# Altium PCB xialeste.PcbDoc (part 4 of 10)
Units mm, origin at the board's own origin, x right, y up, seen from the top; angles counter-clockwise.
Board outline 203.2 x 171.45 mm, 6 copper layers (L1, L2, L3, L4 (PWR), L5, L6), stack 1.542 mm thick; 748 components, 618 nets, 3334 pads, 1535 vias.
Unrouted connection lines stored in the file: 160.
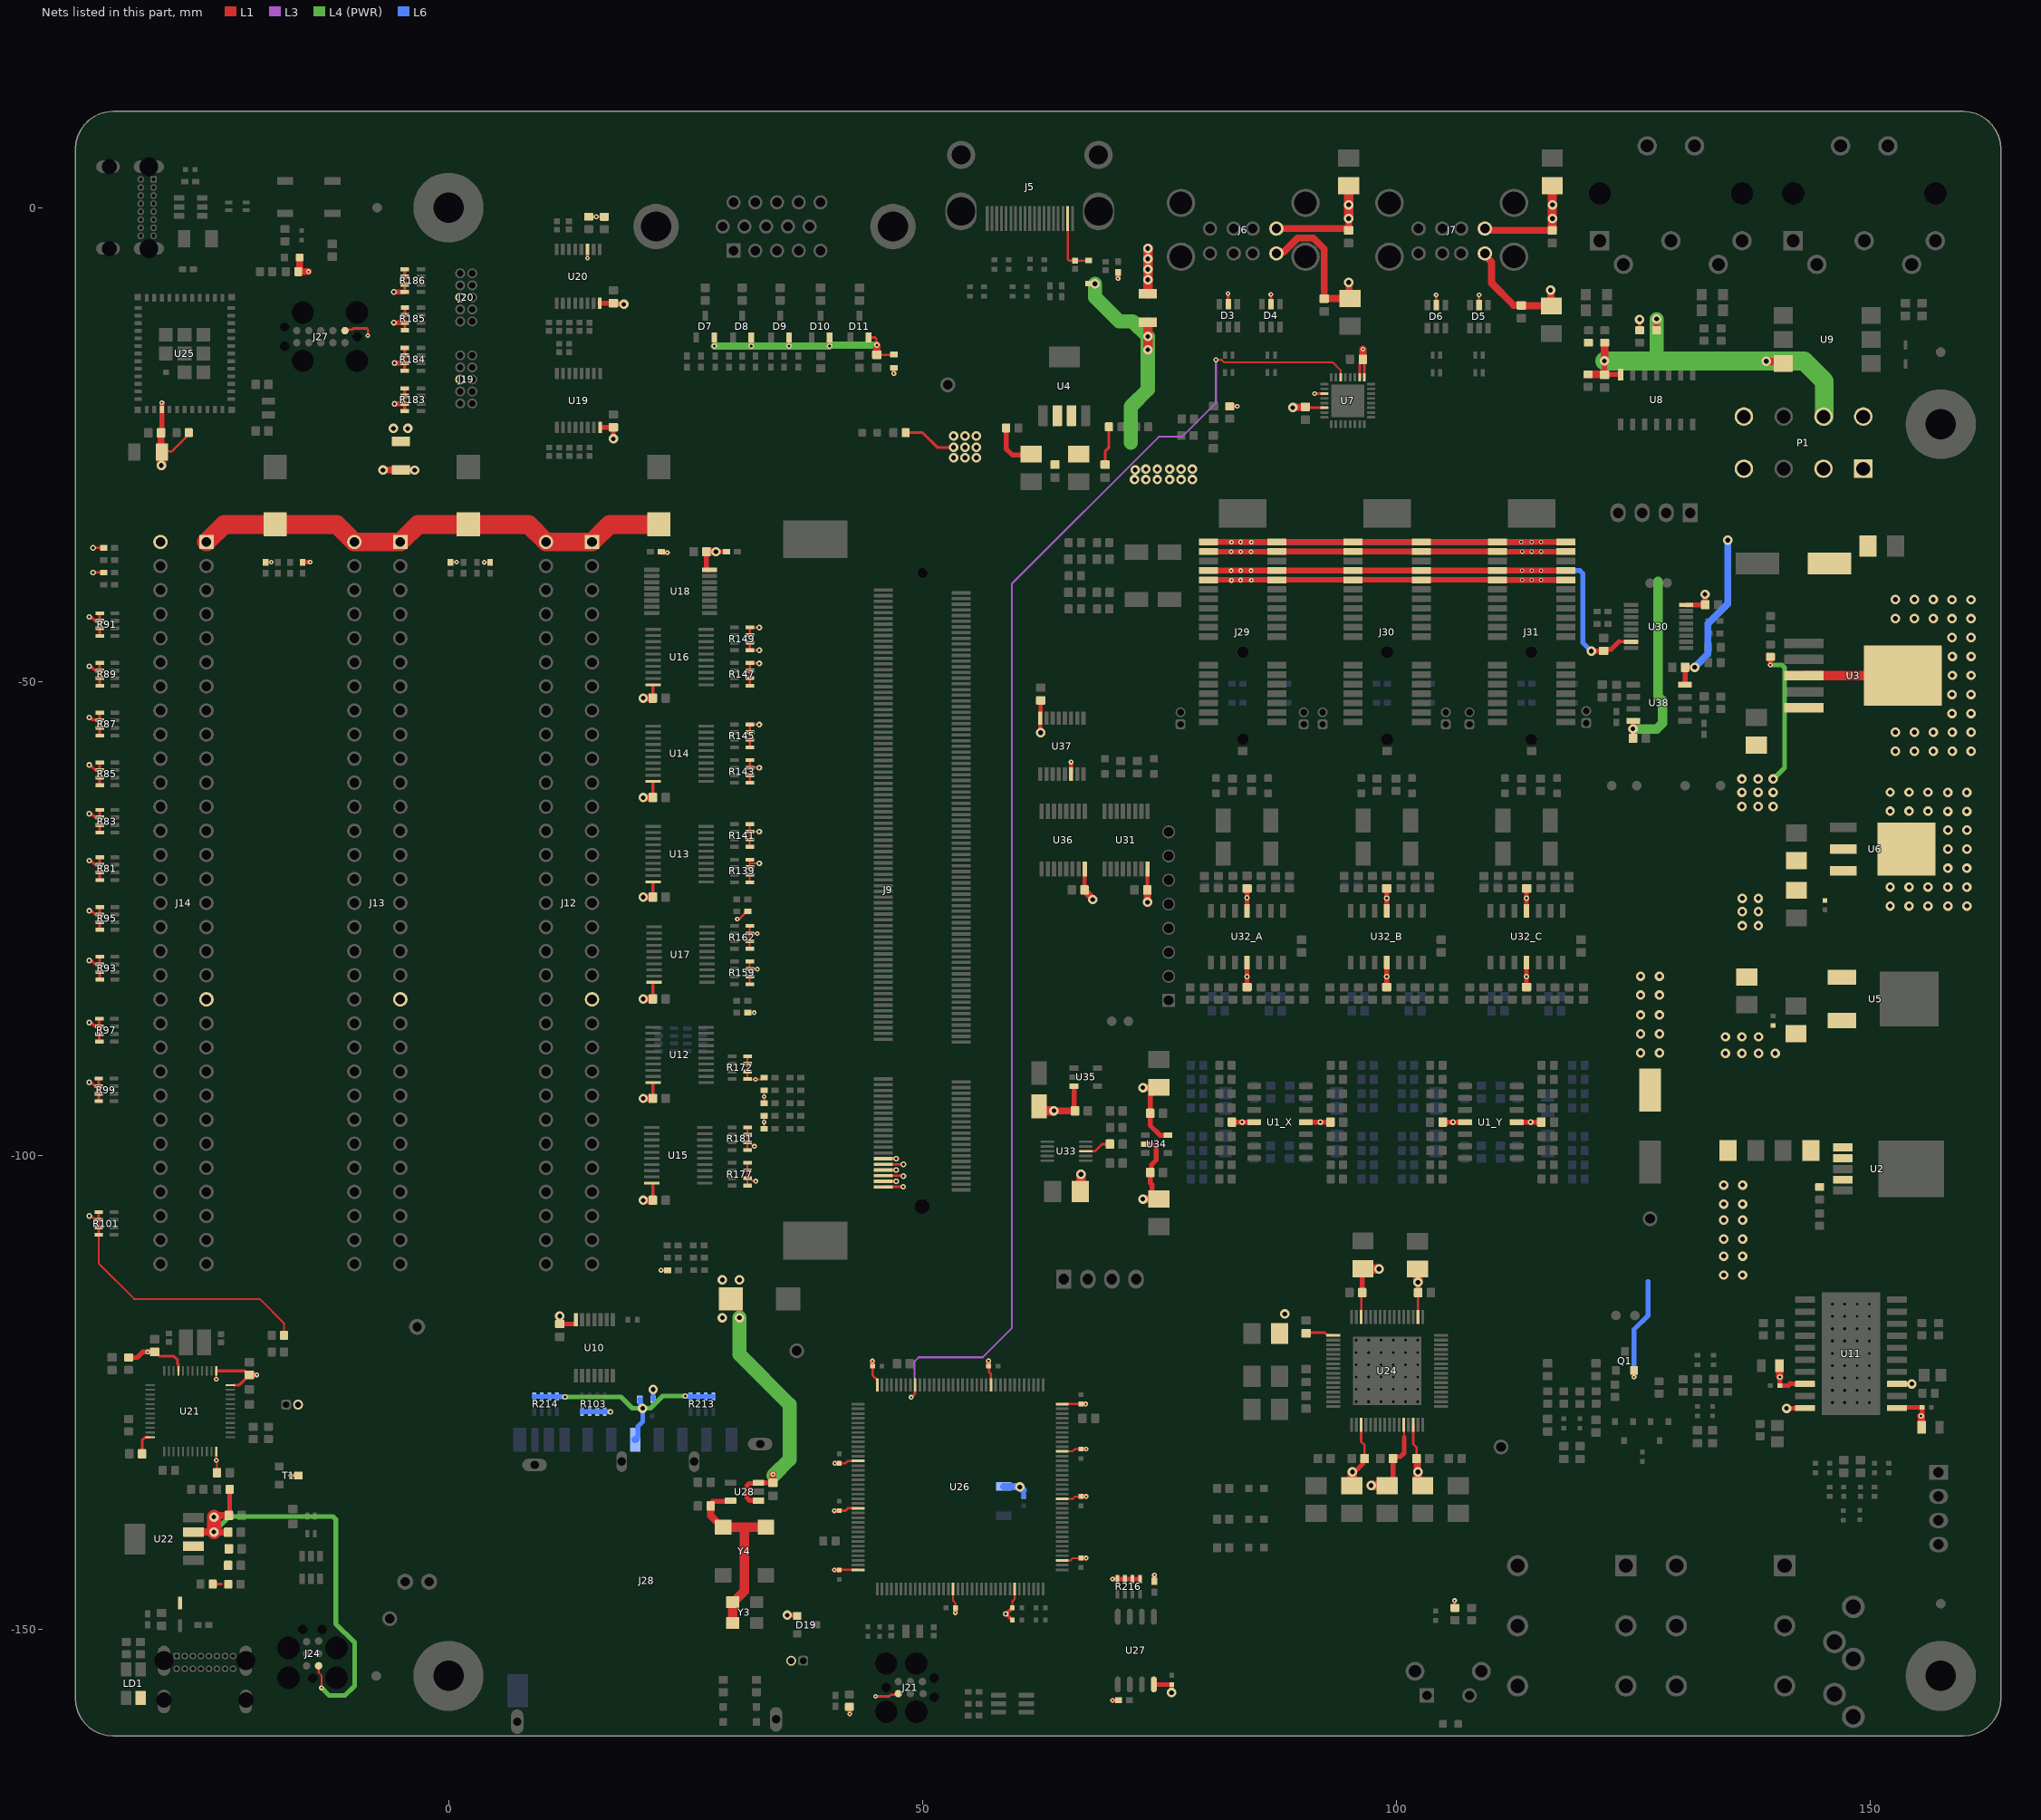
[diagram p8: the nets of this part, all layers, seen from the top]

## Part data (continued)
R130 R131: library part RC0402FR-0747K5L, "RES 47.5K OHM 1/16W 1% 0402 SMD", Manufacturer=Yageo, Package / Case="0402 (1005 Metric)", Power (Watts)="0.063W, 1/16W", Resistance (Ohms)=47.5K, Supplier Part Number 1=311-47.5KLRCT-ND, Temperature Coefficient=±100ppm/°C, Tolerance=±1%, .Checked PCB=RF, .Checked SCH=RF, Category=Resistors, componentlink1description=http://www.yageo.com/documents/recent/PYu-RC0402_51_RoHS_L_6.pdf, componentlink1url=http://www.yageo.com/documents/recent/PYu-RC0402_51_RoHS_L_6.pdf, Composition="Thick Film", Features=-, Height="0.016\" (0.40mm)", Manufacturer Part Number=RC0402FR-0747K5L, Number of Terminations=2, Packaging="Cut Tape (CT)", Pricing 1="10=0.014, 100=0.0063, 500=0.00382, 1000=0.0027, 5000=0.00203 (USD)", RoHS="RoHS Compliant", Size / Dimension="0.039\" L x 0.020\" W (1.00mm x 0.50mm)", Stock 1=59607, Supplier 1=Digi-Key
R132 R133 R192: library part RNCS0603BKE100R, "RES 100 OHM 0.1% 1/16W 0603", Device Package="0603 (1608 Metric)", Manufacturer="Stackpole Electronics Inc", Operating Temperature="-55°C ~ 155°C", Power (Watts)="0.063W, 1/16W", Ratings=AEC-Q200, Supplier Device Package=0603, Supplier Part Number 1=RNCS0603BKE100RCT-ND, Temperature Coefficient=±25ppm/°C, Tolerance=±0.1%, componentlink1description=Datasheet, componentlink1url=https://www.seielect.com/catalog/sei-rncs_rnch.pdf, ComponentLink2Description="DigiKey Link", ComponentLink2URL=https://www.digikey.com/en/products/detail/stackpole-electronics-inc/RNCS0603BKE100R/1799988, Composition="Thin Film", Features="Anti-Corrosive, Automotive AEC-Q200, Moisture Resistant", Height - Seated (Max)="0.022\" (0.55mm)", lastupdated="9/19/2022 1:22:34 PM", Lifecycle Status=Active, Minimum Order=1, Number of Terminations=2, Package / Case="0603 (1608 Metric)", Packaging=TapeAndReel, Part Number=RNCS0603BKE100R, Part Status=Active, partid=4839, price=0.08, Resistance="100 Ohms", series=RNCS, Size / Dimension="0.061\" L x 0.031\" W (1.55mm x 0.80mm)", Supplier 1=DigiKey
R134 R135 R136 R189 R191 R292: library part RCA0603100KJNEC, "RES 100K OHM 5% 1/10W 0603", Device Package="0603 (1608 Metric)", Manufacturer="Vishay Dale", Operating Temperature="-55°C ~ 155°C", Power (Watts)="0.1W, 1/10W", Ratings=AEC-Q200, Supplier Device Package=0603, Supplier Part Number 1=541-3895-1-ND, Temperature Coefficient=±200ppm/°C, Tolerance=±5%, componentlink1description=Datasheet, componentlink1url=http://www.vishay.com/docs/20037/rcae3.pdf, ComponentLink2Description="DigiKey Link", ComponentLink2URL=https://www.digikey.com/en/products/detail/vishay-dale/RCA0603100KJNEC/7354870, Composition="Thick Film", Features="Anti-Sulfur, Automotive AEC-Q200", Height - Seated (Max)="0.020\" (0.50mm)", lastupdated="9/19/2022 1:22:11 PM", Lifecycle Status=Active, Minimum Order=1, Number of Terminations=2, Package / Case="0603 (1608 Metric)", Packaging=TapeAndReel, Part Number=RCA0603100KJNEC, Part Status=Active, partid=11187, price=0.01, Resistance="100 kOhms", series=RCA, Size / Dimension="0.061\" L x 0.033\" W (1.55mm x 0.85mm)", Supplier 1=DigiKey
R137: library part RMCF0603JG5K10, "RES 5.1K OHM 5% 1/10W 0603", Device Package="0603 (1608 Metric)", Manufacturer="Stackpole Electronics Inc", Operating Temperature="-55°C ~ 155°C", Power (Watts)="0.1W, 1/10W", Ratings=AEC-Q200, Supplier Device Package=0603, Supplier Part Number 1=RMCF0603JG5K10CT-ND, Temperature Coefficient=±200ppm/°C, Tolerance=±5%, componentlink1description=Datasheet, componentlink1url=https://www.seielect.com/catalog/sei-packaging.pdf, ComponentLink2Description="DigiKey Link", ComponentLink2URL=https://www.digikey.com/en/products/detail/stackpole-electronics-inc/RMCF0603JG5K10/1712287, Composition="Thick Film", Features="Automotive AEC-Q200", Height - Seated (Max)="0.022\" (0.55mm)", lastupdated="9/19/2022 1:22:33 PM", Lifecycle Status=Active, Minimum Order=1, Number of Terminations=2, Package / Case="0603 (1608 Metric)", Packaging=CutTape, Part Number=RMCF0603JG5K10, Part Status=Active, partid=5180, price=0.01, Resistance="5.1 kOhms", series=RMCF, Size / Dimension="0.061\" L x 0.031\" W (1.55mm x 0.80mm)", Supplier 1=DigiKey
R138 R221 R222 R223 R224 R225 R256 R257 R258 R259 R260 R261 R262 R263: library part RMCF0603JT270R, "RES 270 OHM 5% 1/10W 0603", Device Package="0603 (1608 Metric)", Manufacturer="Stackpole Electronics Inc", Operating Temperature="-55°C ~ 155°C", Power (Watts)="0.1W, 1/10W", Ratings=AEC-Q200, Supplier Device Package=0603, Supplier Part Number 1=RMCF0603JT270RCT-ND, Temperature Coefficient=±200ppm/°C, Tolerance=±5%, componentlink1description=Datasheet, componentlink1url=https://www.seielect.com/catalog/sei-rmcf_rmcp.pdf, ComponentLink2Description="DigiKey Link", ComponentLink2URL=https://www.digikey.com/en/products/detail/stackpole-electronics-inc/RMCF0603JT270R/1760746, Composition="Thick Film", Features="Automotive AEC-Q200", Height - Seated (Max)="0.022\" (0.55mm)", lastupdated="9/19/2022 1:22:30 PM", Lifecycle Status=Active, Minimum Order=1, Number of Terminations=2, Package / Case="0603 (1608 Metric)", Packaging=CutTape, Part Number=RMCF0603JT270R, Part Status=Active, partid=5923, price=0.01, Resistance="270 Ohms", series=RMCF, Size / Dimension="0.061\" L x 0.031\" W (1.55mm x 0.80mm)", Supplier 1=DigiKey
R151 R152 R153 R154 R155 R156 R157 R158 R168 R174 R175 R176 R179 R180 R210 R211 R220 R291: library part AT0402BRD071KL, "RES SMD 1K OHM 0.1% 1/16W 0402", Device Package="0402 (1005 Metric)", Manufacturer=Yageo, Operating Temperature="-55°C ~ 155°C", Power (Watts)="0.063W, 1/16W", Ratings=AEC-Q200, Supplier Device Package=0402, Supplier Part Number 1=YAG2088CT-ND, Temperature Coefficient=±25ppm/°C, Tolerance=±0.1%, componentlink1description=Datasheet, componentlink1url=http://www.yageo.com/documents/recent/PYu-AT_51_RoHS_L_5.pdf, ComponentLink2Description="DigiKey Link", ComponentLink2URL=https://www.digikey.com/en/products/detail/yageo/AT0402BRD071KL/5138607, Composition="Thin Film", Features="Anti-Sulfur, Automotive AEC-Q200, Moisture Resistant", Height - Seated (Max)="0.014\" (0.35mm)", Lifecycle Status=Active, Minimum Order=1, Number of Terminations=2, Package / Case="0402 (1005 Metric)", Packaging=TapeAndReel, Part Number=AT0402BRD071KL, Part Status=Active, partid=2462, price=0.09, Resistance="1 kOhms", series=AT, Size / Dimension="0.039\" L x 0.020\" W (1.00mm x 0.50mm)", Supplier 1=DigiKey
  R151 R152 R153 R154 R155 R156 R157 R158 R168 R174 R175 R176 R179 R180 R210 R211 R291: lastupdated="9/19/2022 1:15:04 PM"
  R220: lastupdated="9/19/2022 1:0..154 PM"
R161 R164 R165 R166 R167 R169 R170 R171: library part SR0402FR-7W22RL, "RES 22 OHM 1% 1/8W 0402", Device Package="0402 (1005 Metric)", Manufacturer=Yageo, Operating Temperature="-55°C ~ 155°C", Power (Watts)="0.125W, 1/8W", Ratings=AEC-Q200, Supplier Device Package=0402, Supplier Part Number 1=YAG5820CT-ND, Temperature Coefficient=±100ppm/°C, Tolerance=±1%, componentlink1description=Datasheet, componentlink1url=http://www.yageo.com/documents/recent/PYu-SR_D_F%20tol_RoHS_L_4.pdf, ComponentLink2Description="DigiKey Link", ComponentLink2URL=https://www.digikey.com/en/products/detail/yageo/SR0402FR-7W22RL/9373094, Composition="Thick Film", Features="Automotive AEC-Q200, Pulse Withstanding", Height - Seated (Max)="0.016\" (0.40mm)", lastupdated="9/19/2022 1:14:58 PM", Lifecycle Status=Active, Minimum Order=1, Number of Terminations=2, Package / Case="0402 (1005 Metric)", Packaging=TapeAndReel, Part Number=SR0402FR-7W22RL, Part Status=Active, partid=4390, price=0.07, Resistance="22 Ohms", series=SR, Size / Dimension="0.039\" L x 0.020\" W (1.00mm x 0.50mm)", Supplier 1=DigiKey
R183 R184 R185 R186: "RES ARRAY 4 RES 4.7K OHM 1206", Manufacturer="Bourns Inc.", Number of Resistors=4, Operating Temperature="-55°C ~ 125°C", Package / Case="1206 (3216 Metric), Convex, Long Side Terminals", Power Per Element=62.5mW, Resistance (Ohms)=4.7k, Supplier Device Package=1206, Supplier Part Number 1=CAY16-472J4LFCT-ND, Temperature Coefficient=±200ppm/°C, Tolerance=±5%, Circuit Type=Isolated, componentlink1description=Datasheet, componentlink1url=https://www.bourns.com/docs/Product-Datasheets/CATCAY.pdf, ComponentLink2Description="DigiKey Link", ComponentLink2URL=http://digikey.com/product-detail/en/bourns-inc/CAY16-472J4LF/CAY16-472J4LFCT-ND/3437957, Height - Seated (Max)="0.024\" (0.60mm)", lastupdated="9/2/2020 1:23:24 AM", Lifecycle Status=Active, Minimum Order=1, Mounting Type="Surface Mount", Number of Pins=8, Packaging=TapeAndReel, Part Number=CAY16-472J4LF, Part Status=Active, partid=161, price=0.01, series=CAY16, Size / Dimension="0.126\" L x 0.063\" W (3.20mm x 1.60mm)", Supplier 1=DigiKey
R188 R190 R212 R217 R288 R289: library part ERA-3AEB472V, "RES SMD 4.7K OHM 0.1% 1/10W 0603", Device Package="0603 (1608 Metric)", Manufacturer="Panasonic Electronic Components", Operating Temperature="-55°C ~ 155°C", Power (Watts)="0.1W, 1/10W", Ratings=AEC-Q200, Supplier Device Package=0603, Supplier Part Number 1=P4.7KDBCT-ND, Temperature Coefficient=±25ppm/°C, Tolerance=±0.1%, componentlink1description=Datasheet, componentlink1url=https://industrial.panasonic.com/cdbs/www-data/pdf/RDM0000/AOA0000C307.pdf, ComponentLink2Description="DigiKey Link", ComponentLink2URL=http://digikey.com/product-detail/en/panasonic-electronic-components/ERA-3AEB472V/P4.7KDBCT-ND/1466068, Composition="Thin Film", Features="Automotive AEC-Q200", Height - Seated (Max)="0.022\" (0.55mm)", lastupdated="9/19/2022 1:22:32 PM", Lifecycle Status=Active, Minimum Order=1, Number of Terminations=2, Package / Case="0603 (1608 Metric)", Packaging=TapeAndReel, Part Number=ERA-3AEB472V, Part Status=Active, partid=5519, price=0.04, Resistance="4.7 kOhms", series=ERA-3A, Size / Dimension="0.063\" L x 0.031\" W (1.60mm x 0.80mm)", Supplier 1=DigiKey
R193: library part RCS060310K0JNEA, "RES SMD 10K OHM 5% 1/4W 0603", Device Package="0603 (1608 Metric)", Manufacturer="Vishay Dale", Operating Temperature="-55°C ~ 155°C", Power (Watts)="0.25W, 1/4W", Ratings=AEC-Q200, Supplier Device Package=0603, Supplier Part Number 1=541-2817-1-ND, Temperature Coefficient=±200ppm/°C, Tolerance=±5%, componentlink1description=Datasheet, componentlink1url=http://www.vishay.com/docs/20065/rcse3.pdf, ComponentLink2Description="DigiKey Link", ComponentLink2URL=https://www.digikey.com/en/products/detail/vishay-dale/RCS060310K0JNEA/5866963, Composition="Thick Film", Features="Automotive AEC-Q200, Pulse Withstanding", Height - Seated (Max)="0.020\" (0.50mm)", lastupdated="9/19/2022 1:22:32 PM", Lifecycle Status=Active, Minimum Order=1, Number of Terminations=2, Package / Case="0603 (1608 Metric)", Packaging=TapeAndReel, Part Number=RCS060310K0JNEA, Part Status=Active, partid=5383, price=0.01, Resistance="10 kOhms", series="RCS e3", Size / Dimension="0.061\" L x 0.033\" W (1.55mm x 0.85mm)", Supplier 1=DigiKey
R194 R201 R202 R206: library part ESR03EZPJ101, "RES SMD 100 OHM 5% 1/4W 0603", Device Package="0603 (1608 Metric)", Manufacturer="Rohm Semiconductor", Operating Temperature="-55°C ~ 155°C", Power (Watts)="0.25W, 1/4W", Ratings=AEC-Q200, Supplier Device Package=0603, Supplier Part Number 1=RHM100DCT-ND, Temperature Coefficient=±200ppm/°C, Tolerance=±5%, componentlink1description=Datasheet, componentlink1url=https://www.rohm.com/datasheet/ESR01MZPF/esr-e, ComponentLink2Description="DigiKey Link", ComponentLink2URL=https://www.digikey.com/en/products/detail/rohm-semiconductor/ESR03EZPJ101/1983452, Composition="Thick Film", Features="Automotive AEC-Q200, Pulse Withstanding", Height - Seated (Max)="0.022\" (0.55mm)", lastupdated="9/19/2022 1:22:32 PM", Lifecycle Status=Active, Minimum Order=1, Number of Terminations=2, Package / Case="0603 (1608 Metric)", Packaging=TapeAndReel, Part Number=ESR03EZPJ101, Part Status=Active, partid=5450, price=0.01, Resistance="100 Ohms", series=ESR, Size / Dimension="0.063\" L x 0.031\" W (1.60mm x 0.80mm)", Supplier 1=DigiKey
R195: library part CPF0603B36KE1, "RES SMD 36K OHM 0.1% 1/16W 0603", Device Package="0603 (1608 Metric)", Manufacturer="TE Connectivity Passive Product", Operating Temperature="-55°C ~ 155°C", Power (Watts)="0.063W, 1/16W", Supplier Device Package=0603, Supplier Part Number 1=A103090CT-ND, Temperature Coefficient=±25ppm/°C, Tolerance=±0.1%, componentlink1description=Datasheet, componentlink1url=https://www.te.com/commerce/DocumentDelivery/DDEController?Action=srchrtrv&DocNm=1773200&DocType=DS&DocLang=English, ComponentLink2Description="DigiKey Link", ComponentLink2URL=https://www.digikey.com/en/products/detail/te-connectivity-passive-product/CPF0603B36KE1/2381953, Composition="Thin Film", Height - Seated (Max)="0.022\" (0.55mm)", lastupdated="9/19/2022 1:22:15 PM", Lifecycle Status=Active, Minimum Order=1, Number of Terminations=2, Package / Case="0603 (1608 Metric)", Packaging=TapeAndReel, Part Number=CPF0603B36KE1, Part Status=Active, partid=10083, price=0.13, Resistance="36 kOhms", series="CPF, Neohm", Size / Dimension="0.061\" L x 0.031\" W (1.55mm x 0.80mm)", Supplier 1=DigiKey
R196 R203: library part Res1, "Resistor 0402 / 0603 / 0805"
R199 R200 R208 R209: library part RT0402BRE075K1L, "RES SMD 5.1K OHM 0.1% 1/16W 0402", Device Package="0402 (1005 Metric)", Manufacturer=Yageo, Operating Temperature="-55°C ~ 155°C", Power (Watts)="0.063W, 1/16W", Supplier Device Package=0402, Supplier Part Number 1=YAG4404CT-ND, Temperature Coefficient=±50ppm/°C, Tolerance=±0.1%, componentlink1description=Datasheet, componentlink1url=https://www.yageo.com/upload/media/product/productsearch/datasheet/rchip/PYu-RT_1-to-0.01_RoHS_L_11.pdf, ComponentLink2Description="DigiKey Link", ComponentLink2URL=http://digikey.com/product-detail/en/yageo/RT0402BRE075K1L/YAG4404CT-ND/6616560, Composition="Thin Film", Height - Seated (Max)="0.014\" (0.35mm)", lastupdated="9/19/2022 1:14:58 PM", Lifecycle Status=Active, Minimum Order=1, Number of Terminations=2, Package / Case="0402 (1005 Metric)", Packaging=TapeAndReel, Part Number=RT0402BRE075K1L, Part Status=Active, partid=4590, price=0.04, Resistance="5.1 kOhms", series=RT, Size / Dimension="0.039\" L x 0.020\" W (1.00mm x 0.50mm)", Supplier 1=DigiKey
R204 R205: library part Resistor, "RES 33K OHM 5% 1/10W 0603", Device Package="0603 (1608 Metric)", Manufacturer="Stackpole Electronics Inc", Operating Temperature="-55°C ~ 155°C", Part Number=RMCF0603JT33K0, Power (Watts)="0.1W, 1/10W", Ratings=AEC-Q200, Supplier Device Package=0603, Supplier Part Number 1=RMCF0603JT33K0CT-ND, Temperature Coefficient=±200ppm/°C, Tolerance=±5%, componentlink1description=Datasheet, componentlink1url=https://www.seielect.com/catalog/sei-rmcf_rmcp.pdf, ComponentLink2Description="DigiKey Link", ComponentLink2URL=https://www.digikey.com/en/products/detail/stackpole-electronics-inc/RMCF0603JT33K0/1758017, Composition="Thick Film", Features="Automotive AEC-Q200", Height - Seated (Max)="0.022\" (0.55mm)", lastupdated="9/19/2022 1:22:31 PM", Lifecycle Status=Active, Minimum Order=1, Number of Terminations=2, Package / Case="0603 (1608 Metric)", Packaging=CutTape, Part Status=Active, partid=5853, price=0.01, Resistance="33 kOhms", series=RMCF, Size / Dimension="0.061\" L x 0.031\" W (1.55mm x 0.80mm)", Supplier 1=DigiKey
R213 R214 R216: library part CMP-2000-06067-1, "CAT / CAY 16 Series - Chip Resistor Array, 10 KOhm, +/- 5%, 50 V, -55 to 125 degC, 8-Pin SMD, RoHS, Tape and Reel", Manufacturer=Bourns, Number of Resistors=4, Operating Temperature=-55°C~125°C, Package / Case=1206(3216Metric),Concave,LongSideTerminals, Package Description="8-Pin Surface Mount Device, Body 3.2 x 1.55 mm, Pitch 0.8 mm", Power Per Element=62.5mW, Resistance (Ohms)=10k, Standard Package=1, Supplier Device Package=1206, Temperature Coefficient=±200ppm/°C, Tolerance=±5%, Applications=-, Category=Resistors, Circuit Type=Isolated, Datasheet URL=http://www.mouser.com/ds/2/54/ATCAY-777361.pdf, Datasheet Version=09/2014, EDA / CAD Models=DownloadfromAcceleratedDesigns, Family=ResistorNetworks,Arrays, Height="0.024\"(0.60mm)", Manufacturer Part Number=CAT16-103J4LF, Manufacturer URL=http://www.bourns.com/, Mounting Technology=SurfaceMount, Mounting Type=SurfaceMount, Number of Pins=8, Online Catalog=CAT16Series, Other Names=CAT16-103J4LFDKR, Package Reference=CAT16-103J4LF, Packaging=Digi-Reel®, RoHS Information=CAT16MaterialDeclaration, series=CAT16, Size / Dimension="0.126\"Lx0.061\"W(3.20mmx1.55mm)"
R218 R219: library part Resistor, "RES 2.7K OHM 1% 1/16W 0402", Device Package="0402 (1005 Metric)", Manufacturer=Yageo, Operating Temperature="-55°C ~ 155°C", Part Number=RC0402FR-072K7L, Power (Watts)="0.063W, 1/16W", Supplier Device Package=0402, Supplier Part Number 1=311-2.70KLRCT-ND, Temperature Coefficient=±100ppm/°C, Tolerance=±1%, componentlink1description=Datasheet, componentlink1url=https://www.yageo.com/upload/media/product/productsearch/datasheet/rchip/PYu-RC_Group_51_RoHS_L_10.pdf, ComponentLink2Description="DigiKey Link", ComponentLink2URL=https://www.digikey.com/en/products/detail/yageo/RC0402FR-072K7L/726556, Composition="Thick Film", Features="Moisture Resistant", Height - Seated (Max)="0.016\" (0.40mm)", lastupdated="9/19/2022 1:0..154 PM", Lifecycle Status=Active, Minimum Order=1, Number of Terminations=2, Package / Case="0402 (1005 Metric)", Packaging=CutTape, Part Status=Active, partid=2550, price=0.01, Resistance="2.7 kOhms", series=RC_L, Size / Dimension="0.039\" L x 0.020\" W (1.00mm x 0.50mm)", Supplier 1=DigiKey
R242 R243 R244 R245 R246 R247 R248 R249 R250 R251 R252 R253 R280 R281 R282 R284 R285 R286: library part RP73PF1E100KBTD, "RES 100K OHM 0.1% 1/10W 0402", Device Package="0402 (1005 Metric)", Manufacturer="TE Connectivity Passive Product", Operating Temperature="-55°C ~ 155°C", Power (Watts)="0.1W, 1/10W", Supplier Device Package=0402, Supplier Part Number 1=A127511CT-ND, Temperature Coefficient=±25ppm/°C, Tolerance=±0.1%, componentlink1description=Datasheet, componentlink1url=https://www.te.com/commerce/DocumentDelivery/DDEController?Action=srchrtrv&DocNm=1773272&DocType=DS&DocLang=English, ComponentLink2Description="DigiKey Link", ComponentLink2URL=https://www.digikey.com/en/products/detail/te-connectivity-passive-product/RP73PF1E100KBTD/8261053, Composition="Thin Film", Height - Seated (Max)="0.014\" (0.35mm)", lastupdated="9/19/2022 1:15:04 PM", Lifecycle Status=Active, Minimum Order=1, Number of Terminations=2, Package / Case="0402 (1005 Metric)", Packaging=TapeAndReel, Part Number=RP73PF1E100KBTD, Part Status=Active, partid=2436, price=0.08, Resistance="100 kOhms", series="RP73, Holsworthy", Size / Dimension="0.039\" L x 0.020\" W (1.00mm x 0.50mm)", Supplier 1=DigiKey
R254 R255: library part ERA-3AEB222V, "RES SMD 2.2K OHM 0.1% 1/10W 0603", Device Package="0603 (1608 Metric)", Manufacturer="Panasonic Electronic Components", Operating Temperature="-55°C ~ 155°C", Power (Watts)="0.1W, 1/10W", Ratings=AEC-Q200, Supplier Device Package=0603, Supplier Part Number 1=P2.2KDBCT-ND, Temperature Coefficient=±25ppm/°C, Tolerance=±0.1%, componentlink1description=Datasheet, componentlink1url=https://industrial.panasonic.com/cdbs/www-data/pdf/RDM0000/AOA0000C307.pdf, ComponentLink2Description="DigiKey Link", ComponentLink2URL=https://www.digikey.com/en/products/detail/panasonic-electronic-components/ERA-3AEB222V/1465862, Composition="Thin Film", Features="Automotive AEC-Q200", Height - Seated (Max)="0.022\" (0.55mm)", lastupdated="9/19/2022 1:22:32 PM", Lifecycle Status=Active, Minimum Order=1, Number of Terminations=2, Package / Case="0603 (1608 Metric)", Packaging=TapeAndReel, Part Number=ERA-3AEB222V, Part Status=Active, partid=5547, price=0.04, Resistance="2.2 kOhms", series=ERA-3A, Size / Dimension="0.063\" L x 0.031\" W (1.60mm x 0.80mm)", Supplier 1=DigiKey
R265_A R265_B R265_C R272_A R272_B R272_C: library part TNPW06033K00BYEN, "RES 3K OHM 0.1% 1/8W 0603", Device Package="0603 (1608 Metric)", Manufacturer="Vishay Dale", Operating Temperature="-55°C ~ 155°C", Power (Watts)="0.125W, 1/8W", Ratings=AEC-Q200, Supplier Device Package=0603, Supplier Part Number 1=541-9825-1-ND, Temperature Coefficient=±10ppm/°C, Tolerance=±0.1%, componentlink1description=Datasheet, componentlink1url=http://www.vishay.com/docs/28758/tnpw_e3.pdf, ComponentLink2Description="DigiKey Link", ComponentLink2URL=https://www.digikey.com/en/products/detail/vishay-dale/TNPW06033K00BYEN/8636652, Composition="Thin Film", Features="Anti-Sulfur, Automotive AEC-Q200, Moisture Resistant", Height - Seated (Max)="0.022\" (0.55mm)", lastupdated="9/19/2022 1:22:33 PM", Lifecycle Status=Active, Minimum Order=1, Number of Terminations=2, Package / Case="0603 (1608 Metric)", Packaging=TapeAndReel, Part Number=TNPW06033K00BYEN, Part Status=Active, partid=5287, price=0.28, Resistance="3 kOhms", series="TNPW e3", Size / Dimension="0.061\" L x 0.033\" W (1.55mm x 0.85mm)", Supplier 1=DigiKey
R278: library part TLRZ1JTTD, "RES 0 OHM JUMPER 0603", Device Package="0603 (1608 Metric)", Manufacturer="KOA Speer Electronics, Inc.", Operating Temperature="-55°C ~ 170°C", Ratings=AEC-Q200, Supplier Device Package=0603, Supplier Part Number 1=2019-TLRZ1JTTDCT-ND, Tolerance=Jumper, componentlink1description=Datasheet, componentlink1url=http://www.koaspeer.com/catimages/Products/TLRZ/TLRZ.pdf, ComponentLink2Description="DigiKey Link", ComponentLink2URL=https://www.digikey.com/en/products/detail/koa-speer-electronics-inc/TLRZ1JTTD/9845493, Composition="Metal Element", Features="Automotive AEC-Q200, Current Sense", Height - Seated (Max)="0.022\" (0.55mm)", lastupdated="9/19/2022 1:22:34 PM", Lifecycle Status=Active, Minimum Order=1, Number of Terminations=2, Package / Case="0603 (1608 Metric)", Packaging=TapeAndReel, Part Number=TLRZ1JTTD, Part Status=Active, partid=4851, price=0.08, Resistance="0 Ohms", series=TLRZ, Size / Dimension="0.063\" L x 0.031\" W (1.60mm x 0.80mm)", Supplier 1=DigiKey
R279 R283: library part AT0603DRD07100KL, "RES SMD 100K OHM 0.5% 1/10W 0603", Device Package="0603 (1608 Metric)", Manufacturer=Yageo, Operating Temperature="-55°C ~ 155°C", Power (Watts)="0.1W, 1/10W", Ratings=AEC-Q200, Supplier Device Package=0603, Supplier Part Number 1=311-2103-1-ND, Temperature Coefficient=±25ppm/°C, Tolerance=±0.5%, componentlink1description=Datasheet, componentlink1url=http://www.yageo.com/documents/recent/PYu-AT_51_RoHS_L_5.pdf, ComponentLink2Description="DigiKey Link", ComponentLink2URL=https://www.digikey.com/en/products/detail/yageo/AT0603DRD07100KL/5908403, Composition="Thin Film", Features="Anti-Sulfur, Automotive AEC-Q200, Moisture Resistant", Height - Seated (Max)="0.022\" (0.55mm)", lastupdated="9/19/2022 1:22:34 PM", Lifecycle Status=Active, Minimum Order=1, Number of Terminations=2, Package / Case="0603 (1608 Metric)", Packaging=TapeAndReel, Part Number=AT0603DRD07100KL, Part Status=Active, partid=4903, price=0.02, Resistance="100 kOhms", series=AT, Size / Dimension="0.063\" L x 0.031\" W (1.60mm x 0.80mm)", Supplier 1=DigiKey
SW1 SW2: library part CMP-2100-03586-2, "SWITCH TACTILE SPST-NO 0.05A 12V", Contact Current Rating=50mA, Contact Resistance=100mR, Insulation Resistance=100MR, Manufacturer=Omron, Max Operating Temperature=70°C, Max Voltage Rating (DC)=12V, Min Operating Temperature=-25°C, Operating Force=1.5N, Package Quantity=1, Ratings="Dust Proof", Actuator Length=0.4mm, Actuator Type=Standard, Contact Material=Silver, Current Rating=50mA, Depth=2.5mm, Electrical Life=200000Cycles, Height=1.2mm, Illumination Type=Non-Illuminated, Lead Free="Lead Free", Length=4mm, Manufacturer Part Number=B3U-1000P, Max Current Rating=50mA, Mechanical Life=200000Cycles, Mount="Surface Mount", Orientation=Straight, Packaging="Tape and Reel", Switch Function=Off-Mom, Switch Travel=0.15mm, Termination=SMD/SMT, Throw Configuration=SPST, Voltage Rating (DC)=12V, Weight=0.000776oz, Width=3mm
SW3: library part CMP-10040-000024-1, "SWITCH TACTILE SPST-NO 0.05A 12V", Color=Black, Current Rating=50mA, Manufacturer="ITT C&K", Manufacturer Part Number=PTS645VK58-2LFS, Max Operating Temperature=60°C, Max Voltage Rating (DC)=12V, Min Operating Temperature=-20°C, Operating Force=260gf, Package Quantity=1000, Actuator Material=Nylon, Actuator Type=Standard, Contact Material=Bronze, Contact Plating=Silver, Illumination Type=Non-Illuminated, Mechanical Life=100000Cycles, Mount="Through Hole", Packaging=Bulk, Switch Function=Off-Mom, Termination="PC Pin", Throw Configuration=SPST, Voltage Rating (DC)=12V
T1: library part CMP-1048-00631-1, "General Purpose Transistor, NPN Silicon, 3-Pin SOT-23, Pb-Free, Tape and Reel", Manufacturer="ON Semiconductor", componentlink1description="Manufacturer URL", componentlink1url=http://www.onsemi.com/, ComponentLink2Description=Datasheet, ComponentLink2URL=http://www.onsemi.cn/pub_link/Collateral/MMBT3904LT1-D.PDF, ComponentLink3Description="Package Specification", ComponentLink3URL=http://www.onsemi.cn/pub_link/Collateral/318-08.PDF, DatasheetVersion="Rev. 12", fT Min (MHz)=300, IC Continuous (A)=0.2, Manufacturer Part Number=MMBT3904LT1G, Mounting Technology="Surface Mount", PackageDescription="3-Pin Small Outline Transistor, Body 2.92 x 1.3 mm, Pitch 0.95 mm", PackageReference=SOT-23-3-318-08, PackageVersion="Rev. AP, 11/2009", Packing="Tape and Reel", PartNumber=MMBT3904LT1G, Polarity=NPN, RoHS=TRUE
TP1 TP2 TP9 TP10 TP11 TP12 TP13 TP14 TP15 TP16: library part TP, "Test Point 25mil"
U1_X U1_Y U32_A U32_B U32_C: library part CMP-0808-00001-2, "SoundPlus(TM) High Performance Audio Operational Amplifier, 5 to 36 V, -55 to 125 degC, 14-pin SOIC (D14), Green (RoHS & no Sb/Br)", Manufacturer="Texas Instruments", Code_JEDEC=MS-012, componentlink1description="Manufacturer URL", componentlink1url=http://www.ti.com/, ComponentLink2Description=Datasheet, ComponentLink2URL=http://www.ti.com/general/docs/lit/getliterature.tsp?genericPartNumber=OPA4134&fileType=pdf, ComponentLink3Description="Package Specification", ComponentLink3URL=http://www.ti.com/lit/ml/mpds177g/mpds177g.pdf, DatasheetVersion=SBOS058, Eco-Plan="Green (RoHS & no Sb/Br)", GBW(Typ)(MHz)=8, Iq per channel(Max)(mA)=5, Mounting Technology="Surface Mount", Number of Channels=4, PackageDescription="14-Pin Plastic Small Outline, Body 8.65 x 3.9 mm, Pitch 1.27 mm", PackageReference=D0014A, PackageVersion="4040047-5/M, 06/2011", PartNumber=OPA4134UA, SubFamily="Audio Operational Amplifier", Vmax(V)=36, Vmin(V)=5, Vn at Flatband(Typ)(nV/rtHz)=8
U3: "Negative Low Dropout Adjustable Regulator, 5-pin TO-263, Pb-Free", Manufacturer="Texas Instruments", PackageTopMarking=NSUZXYTTE#*LM2991S*P+, PowerWise=N, Code_JEDEC=MO-169-AB, componentlink1description="Datasheet URL", componentlink1url=http://www.ti.com/general/docs/lit/getliterature.tsp?genericPartNumber=LM2991&fileType=pdf, CompType="LDO IC", PackageDescription="TO-263, Molded, .400 x .390 x .180in, 5 Lead, .067in Pitch, Surface Mount", PackageReference=KTT0005B, PinCount=5, RoHS=Y
U4 U22: "1.5A Fast Ultra Low Dropout Linear Regulator, 5-pin SOT-223, Pb-Free", Manufacturer="Texas Instruments", PackageTopMarking=XYTT*LBRB, PowerWise=N, Code_IPC=SOT223-5, Code_JEDEC=TO-261-AB, componentlink1description="Datasheet URL", componentlink1url=http://www.ti.com/general/docs/lit/getliterature.tsp?genericPartNumber=LP3965&fileType=pdf, CompType="LDO IC", PackageDescription="Moldec SOT-223, 6.50 x 3.56 x 1.6mm Body, 5 Lead, 1.5mm Pitch", PackageReference=NDC0005A, PinCount=5, RoHS=Y
  U4: ClassName=C_LDO_3.3V
  U22: ClassName=C_LDO_2.5V
U5: "IC REG LINEAR 5V 1A DPAK", Case/Package=DPAK, Dropout Voltage=2V, Max Input Voltage=35V, Max Operating Temperature=125°C, Max Output Current=1A, Max Output Voltage=5.2V, Min Input Voltage=10V, Min Operating Temperature=0°C, Min Output Voltage=5V, Output Voltage Accuracy=4%, Package Quantity=1, Power Supply Rejection Ratio (PSRR)=83dB, Quiescent Current=3.2mA, Accuracy=4%, Contact Plating=Tin, Halogen Free="Halogen Free", Height=2.38mm, Lead Free="Lead Free", Length=6.73mm, Mount="Surface Mount", Nominal Output Voltage=5V, Number of Outputs=1, Number of Pins=3, Number of Regulators=1, Output Current=1A, Output Type=Fixed, Output Voltage=5V, Packaging="Tape and Reel", Polarity=Positive, Radiation Hardening=No, REACH SVHC="No SVHC", Width=6.22mm
U6: "IC REG LINEAR -15V 500MA DPAK"
U7: library part CMP-0309-00040-2, "4-Port Full-Speed USB Hub, 3.3V, -40 to 85 degC, 32-Pin QFN (RHB), Green (RoHS & no Sb/Br)", Manufacturer="Texas Instruments", Supply Voltage(s)(V)=3.3, ClassName=C_UHUB, Code_JEDEC=MO-220, componentlink1description=Datasheet, componentlink1url=http://www.ti.com/general/docs/lit/getliterature.tsp?genericPartNumber=TUSB2046B&fileType=pdf, ComponentLink2Description="Package Specification", ComponentLink2URL=http://www.ti.com/litv/pdf/mpqf130c, DatasheetVersion=SLLS413H, Eco-Plan="Green (RoHS & no Sb/Br)", Integrated MCU Architecture=N/A, Manufacturer Part Number=TUSB2046BIRHBT, Mounting Technology="Surface Mount", PackageDescription="32-Pin Plastic Quad Flat No-Lead, 5 x 5 mm Body, 0.5 mm Pitch, 3.45 x 3.45 mm Exposed Pad", PackageReference=RHB0032E, PackageVersion="revD, Jun-2011", PartNumber=TUSB2046BIRHBT, SubFamily="USB Hub Controller", USB Full Speed=True, USB Speed=Full
U8: library part CMP-1615-00208-2, "Hex Inverters with Open-Drain Outputs, D0014A, TUBE", F @ Nom Voltage(Max)(Mhz)=90, Generic Part Number=CD74ACT05, ICC @ Nom Voltage(Max)(mA)=0.04, Manufacturer="Texas Instruments", Operating Temperature Range(C)="-55 to 125", Rating=Catalog, tpd @ Nom Voltage(Max)(ns)=8.5, Voltage(Nom)(V)=5, Bits(#)=6, Code_JEDEC=MS-012, DatasheetVersion=SCHS311C, Input Type=TTL, Output Drive (IOL/IOH)(Max)(mA)=0/24, Output Type=CMOS, PackageReference=D0014A, Schmitt Trigger=No, Technology Family=ACT, VCC(Max)(V)=5.5, VCC(Min)(V)=4.5
U9: library part CMP-0430-00001-1, "Optoisolator, SMD, Digital Output, Normal OFF Operation", Isolation Voltage Min="5 kV", Manufacturer=Sharp, componentlink1description="Manufacturer URL", componentlink1url=http://www.sharpsma.com/, ComponentLink2Description=Datasheet, ComponentLink2URL=http://www.sharpsma.com/webfm_send/1119, DatasheetVersion=Aug-05, Manufacturer Part Number=PC900V0NIPXF, Mounting Technology="Surface Mount", PackageDescription="6-Pin SMT Gullwing Lead-Form, 7.12 x 6.5 mm Body, 2.54 mm Pitch", PackageReference=SOP-6, PartNumber=PC900V0NIPXF
U10: library part CMP-0777-00377-3, "Quadruple 2-Input Positive-AND Gates, PW0014A, TUBE", F @ Nom Voltage(Max)(Mhz)=70, Generic Part Number=SN74AHCT08, ICC @ Nom Voltage(Max)(mA)=0.02, Manufacturer="Texas Instruments", Operating Temperature Range(C)="-40 to 125,-40 to 85", Rating=Catalog, tpd @ Nom Voltage(Max)(ns)=8, Voltage(Nom)(V)=5, Bits(#)=4, DatasheetVersion=SCLS237M, Input Type=TTL, Output Drive (IOL/IOH)(Max)(mA)=-8/8, Output Type=CMOS, PackageReference=PW0014A, Schmitt Trigger=No, Technology Family=AHCT, VCC(Max)(V)=5.5, VCC(Min)(V)=4.5
U11: "IC High Fidelity Stereo Headphone Amplifier, -40 to 85 degC, 20-pin SOP (DWP20), Green (RoHS & no Sb/Br)", Manufacturer="Texas Instruments", Supply Max(Max)(Volt)=30, Supply Min(Min)(Volt)=10, componentlink1description="Manufacturer URL", componentlink1url=http://www.ti.com/, ComponentLink2Description=Datasheet, ComponentLink2URL=http://www.ti.com/general/docs/lit/getliterature.tsp?genericPartNumber=TPA6120A2&fileType=pdf, ComponentLink3Description="Package Specification", ComponentLink3URL=http://www.ti.com/litv/pdf/mpds032b, DatasheetVersion=SLOS431, Eco-Plan="Green (RoHS & no Sb/Br)", Headphone Channels=Stereo, Load(Min)(ohms)=16, Mounting Technology="Surface Mount", PackageDescription="20-Pin PowerPAD(TM) Plastic Small-Outline Package, Body 12.825 x 7.52 mm, Pitch 1.27 mm", PackageReference=DWP0020B, PackageVersion="4147575/C, 02/2005", PartNumber=TPA6120A2DWPR, PSRR(dB)=75, Special Features=Hi-Fi, SubFamily="Headphone Amplifier", Volume Control=Yes
U12 U13 U14 U15 U16 U17: library part CMP-1620-00517-3, "IC TXRX NON-INVERT 5.5V 20TSSOP", Case/Package=TSSOP, High Level Output Current=-8mA, Low Level Output Current=8mA, Manufacturer="Texas Instruments", Max Operating Temperature=125°C, Max Supply Voltage=5.5V, Min Operating Temperature=-40°C, Min Supply Voltage=4.5V, Operating Supply Voltage=5V, Package Quantity=1, Quiescent Current=4uA, Contact Plating=Gold, Direction=Bidirectional, Height=1.15mm, Lead Free="Lead Free", Length=6.5mm, Logic Function=Transceiver, Manufacturer Part Number=SN74AHCT245PWR, Mount="Surface Mount", Number of Bits=8, Number of Bits per Element=8, Number of Channels=8, Number of Circuits=8, Number of Elements=1, Number of Outputs=8, Number of Pins=20, Output Type=3-STATE, Packaging="Tape and Reel", Polarity=Non-Inverting, Propagation Delay=16.5ns, Radiation Hardening=No, REACH SVHC="No SVHC", RoHS Compliant=Yes, series=74AHCT, Technology=CMOS, Turn-On Delay Time=16.5ns, Weight=0.002716oz, Width=4.4mm
U18: library part CMP-1633-00850-2, "Dual 2-Line To 4-Line Decoders / Demultiplexers, PW0016A, TUBE", F @ Nom Voltage(Max)(Mhz)=70, Generic Part Number=SN74AHCT139, ICC @ Nom Voltage(Max)(mA)=0.02, Manufacturer="Texas Instruments", Operating Temperature Range(C)="-40 to 85", Rating=Catalog, tpd @ Nom Voltage(Max)(ns)=8.5, Voltage(Nom)(V)=5, Bits(#)=4, Channels(#)=2, Code_JEDEC=MO-153, Configuration=2：4, DatasheetVersion=SCLS267M, Function=Decoder/Demultiplexer, Input Type=TTL, Output Drive (IOL/IOH)(Max)(mA)=8/-8, Output Type=CMOS, PackageReference=PW0016A, Schmitt Trigger=No, Technology Family=AHCT, Type=Standard, VCC(Max)(V)=5.5, VCC(Min)(V)=4.5
U19 U20: library part CMP-0314-00357-2, "Remote 8-Bit I2C and SMBus Low-Power I/O Expander with Reset and Configuration Registers, 2.3 to 5.5 V, -40 to 85 degC, 16-pin TSSOP (PW), Green (RoHS & no Sb/Br)", 5V Tolerant I/O=Yes, Manufacturer="Texas Instruments", Max Frequency(kHz)=400, # of I/Os=8, Code_JEDEC=MO-153, componentlink1description=Datasheet, componentlink1url=http://www.ti.com/general/docs/lit/getliterature.tsp?genericPartNumber=PCA9557&fileType=pdf, Configuration Registers=Yes, DatasheetVersion=SCPS133I, Eco-Plan="Green (RoHS & no Sb/Br)", fSCLK(Max)(MHz)=400, I2C Address="0011 xxx", Low Power=Yes, Manufacturer Part Number=PCA9557PWR, Mounting Technology="Surface Mount", No. of Outputs=8, Open Drain I/O Type=Yes, PackageDescription="16-Pin Plastic Thin Small Outline Package 5 x 4.4 mm Body ,0.65 mm Pitch", PackageReference=PW0016A, PackageVersion="revG, Feb-2011", PartNumber=PCA9557PWR, Push-Pull I/O Type=Yes, Reset Input=Yes, SubFamily="I2C IO Expander", Technology Family=I2C, Vcc range(V)="2.3 to 5.5", VCC(Max)(V)=5.5, VCC(Min)(V)=2.3
U21: "Medium-density performance line ARM-based 32-bit MCU with 64KB Flash", Manuf_1=STM, Manuf_Part_1=STM32F103C8T6, Distrib=ST, ECCN_US/EU=3A991A2/NEC, Order=STM32F103C8T6, Provided=ST, Ref St=9175981
U24: "24-bit Multi-channel Audio CODEC 6ch-in/8ch-out with 96/192kHz sampling rate 64-HTQFP -40 to 85", Package=None, Supplier Part Number 1=296-23899-5-ND, Availability=Unavailable, MF="{'manufacturer': u'Texas Instruments'}", MP=PCM3168APAP, price=None, Supplier 1=Digi-Key
U26: "No Description Available", Mfr_Name=STMicroelectronics, RefDes=RefDes, Type=Type
U27: "128 Mb (x1/x2/x4) Serial NOR Flash Memory with Multi I/O, 108 MHz, 2.7 to 3.6 V, 8-pin SO8 Wide (SE), Tape & Reel", Manufacturer=Micron, Package="SO8 WideÂ", Voltage=2.7V-3.6VÂ, Applications=EmbeddedÂ, componentlink1description="Manufacturer URL", componentlink1url=http://www.micron.com/, ComponentLink2Description=Datasheet, ComponentLink2URL=http://www.micron.com/~/media/Documents/Products/Data%20Sheet/NOR%20Flash/Serial%20NOR/N25Q/n25q_128mb_3v_65nm.pdf, ComponentLink3Description="Package Specification", ComponentLink3URL=http://www.micron.com/~/media/Documents/Products/Data%20Sheet/NOR%20Flash/Serial%20NOR/N25Q/n25q_32mb_1_8v_65nm.pdf, DatasheetVersion="Rev. L", Density=128MbÂ, Mounting Technology="Surface Mount", PackageDescription="8-Pin SO Wide, 5.29 X 5.29 mm, Pitch 1.27 mm", PackageReference=MICT-SE-8, PackageVersion="Rev. E", Part Family=N25QÂ, Part Status=ProductionÂ, PartNumber=N25Q128A13ESE40F, RoHS=YesÂ, Speed="108 MHzÂ", Type="Multi I/OÂ", Width=x1/x2/x4Â
U28: library part CMP-0758-00080-2, "Single Output Low Noise LDO, 150 mA, Fixed 3.3 V Output, 1.5% Tolerance, 2.2 to 16 V Input, Low IQ, 5-Pin SOT-23 (DBV), -40 to 125 degC, Green (RoHS & no Sb/Br), Tape and Reel", Manufacturer="Texas Instruments", Operating Temperature Range (degC)="-40 to 125", Accuracy (%)=1.5, componentlink1description="Manufacturer URL", componentlink1url=http://www.ti.com/, ComponentLink2Description=Datasheet, ComponentLink2URL=http://www.ti.com/lit/ds/symlink/lp2985-50.pdf, ComponentLink3Description="Package Specification", ComponentLink3URL=http://www.ti.com/litv/pdf/mpds018j, DatasheetVersion=SLVS522N, Fixed Output Options (V)=3.3, Iout (Max) (A)=0.15, Iq (Typ) (mA)=0.85, Manufacturer Part Number=LP2985-33DBVR, Mounting Technology="Surface Mount", Output Options="Fixed Output", PackageDescription="5-Pin Plastic Small Outline, Body 2.9 x 1.6 mm, Pitch 0.95 mm", PackageReference=DBV0005A, PackageVersion=4073253-4/L, Packing="Tape and Reel", PartNumber=LP2985-33DBVR, RoHS=TRUE, Vdo (Typ) (mV)=280, Vin (V)="2.2 to 16"
U30: library part CMP-1575-00095-5, "IC MUX/DEMUX DUAL 4X1 16TSSOP", Case/Package=TSSOP, Dual Supply Voltage=3V, High Level Output Current=25mA, Max Dual Supply Voltage=5V, Max Operating Temperature=125°C, Max Supply Voltage=6V, Min Dual Supply Voltage=1V, Min Operating Temperature=-55°C, Min Supply Voltage=2V, Nominal Supply Current=16uA, On-State Resistance=130R, Package Quantity=1, Bandwidth=185MHz, Contact Plating=Gold, Height=1.15mm, Lead Free="Lead Free", Length=5mm, Logic Function=Multiplexer, Low Level Output Current=25mA, Mount="Surface Mount", Number of Bits=4, Number of Channels=2, Number of Circuits=2, Number of Inputs=8, Number of Outputs=2, Number of Pins=16, Packaging="Tape and Reel", Polarity=Non-Inverting, Propagation Delay=60ns, Radiation Hardening=No, REACH SVHC="No SVHC", Supply Type=Single, Throw Configuration=SP4T, Turn-Off Delay Time=250ns, Turn-On Delay Time=325ns, Weight=0.002183oz, Width=4.4mm
U31 U36: library part CMP-0807-00199-3, "8-Bit Shift Registers With 3-State Output Registers, PW0016A, LARGE T&R", F @ Nom Voltage(Max)(Mhz)=70, Generic Part Number=SN74AHCT595, ICC @ Nom Voltage(Max)(mA)=0.04, Manufacturer="Texas Instruments", Operating Temperature Range(C)="-40 to 85", Rating=Catalog, tpd @ Nom Voltage(Max)(ns)=11.4, Voltage(Nom)(V)=5, 3-State Output=Yes, Bits=8, Code_JEDEC=MO-153, DatasheetVersion=SCLS374N, Input Type=TTL, Output Drive (IOL/IOH)(Max)(mA)=8/-8, Output Type=CMOS, PackageReference=PW0016A, PackageVersion=http://www.ti.com/lit/ml/mpds361/mpds361.pdf, Technology Family=AHCT, VCC(Max)(V)=5.5, VCC(Min)(V)=4.5
U33: library part CMP-0318-02053-2, "Single 12-Bit High Bandwidth Multiplying Digital-to-Analog Converter, -40 to +125 degC, RM-10, Pb-Free, Tube", Generic Part Number=AD5444, Manufacturer="Analog Devices", # DAC Outputs=1, componentlink1description="Manufacturer URL", componentlink1url=http://www.analog.com/en/index.html, ComponentLink2Description=Datasheet, ComponentLink2URL=http://www.analog.com/static/imported-files/data_sheets/AD5444_5446.pdf, ComponentLink3Description="Package Specification", ComponentLink3URL=http://www.analog.com/static/imported-files/packages/PKG_PDF/MSOP%28RM%29/RM_10.pdf, ComponentLink4Description="Product URL", ComponentLink4URL=http://www.analog.com/en/digital-to-analog-converters/da-converters/ad5444/products/product.html, DatasheetVersion=Rev.D, Manufacturer Part Number=AD5444YRMZ, Max V+=5.5V, Mounting Technology="Surface Mount", Op Pwr Diss=50.5ÂµW, PackageDescription="10-Lead Mini Small Outline Package [MSOP]", PackageReference=RM-10, PackageVersion=May-2005, Packing=Tube, PartNumber=AD5444YRMZ, Resolution (Bits)=12, RevisionNote="Component URL fixed", RoHS=Y, Settling Time=40ns, Single Supply=Yes
U34: library part CMP-0384-01535-3, "Single Channel Low Power Operational Amplifier, 145 MHz BW, 180 V/us SR, Industrial, 5-pin SOT23 (RJ-5), Reel", Amplifiers Per Package=1, Generic Part Number=AD8065, Input Bias Current=2pA, Input Offset Voltage=400uV, Manufacturer="Analog Devices", Automotive Qualified=Yes, Code_JEDEC=MO-178-AA, componentlink1description="Manufacturer URL", componentlink1url=http://www.analog.com/en/index.html, ComponentLink2Description=Datasheet, ComponentLink2URL=http://www.analog.com/static/imported-files/data_sheets/AD8065_8066.pdf, ComponentLink3Description="Package Specification", ComponentLink3URL=http://www.analog.com/static/imported-files/packages/PKG_PDF/SOT-23(RJ)/RJ_5.pdf, ComponentLink4Description="Reference Circuit", ComponentLink4URL=http://www.analog.com/en/all-operational-amplifiers-op-amps/operational-amplifiers-op-amps/ad8065/products/product.html#product-recommendations, DatasheetVersion="Rev. J", Iq/Amp=7.4mA, Manufacturer Part Number=AD8065ARTZ-REEL7, Mounting Technology="Surface Mount", PackageDescription="5-Pin Small Outline Transistor Package, Body 2.9 x 1.6 mm, Pitch 0.95 mm", PackageReference=RJ-5, PackageVersion=121608-A, PartNumber=AD8065ARTZ-REEL7, RevisionNote="Reference Circuit URL fixed", Slew Rate=180V/us, Small Signal Bandwidth=145MHz, V Span Max=24V, V Span Min=5V
U35: library part CMP-0784-00502-1, "Ultracompact, Precision Voltage Reference, 5 V Output, 7 to 36 V Supply, Industrial, 5-pin SOT23 (UJ-5), Reel", Manufacturer="Analog Devices", Operating Temp Range="-40 to 125 degC", Automotive Qualified=Yes, Code_JEDEC=MO-193-AB, componentlink1description="Manufacturer URL", componentlink1url=http://www.analog.com/en/index.html, ComponentLink2Description=Datasheet, ComponentLink2URL=http://www.analog.com/static/imported-files/data_sheets/ADR01_02_03_06.pdf, ComponentLink3Description="Package Specification", ComponentLink3URL=http:/www.analog.com/static/imported-files/packages/PKG_PDF/TSOT(UJ)/UJ_5.pdf, ComponentLink4Description="URL Link1", ComponentLink4URL="Product URL:http://www.analog.com/en/special-linear-functions/voltage-references/adr02/products/product.html", DatasheetVersion="Rev. R", Manufacturer Part Number=ADR02BUJZ-R2, Max V Supply (V)=36, Min V Supply (V)=7, Mounting Technology="Surface Mount", PackageDescription="5-Pin Thin Small Outline Transistor Package, Body 2.9 x 1.6 mm, Pitch 0.95 mm", PackageReference=UJ-5, PackageVersion="100708-A, 10/2008", Packing=Reel, PartNumber=ADR02BUJZ-R2, Ref Out TC (ppm/C)=1, Vout=5V
U37: library part CMP-1633-00859-2, "3-Line to 8-Line Decoder / Demultiplexer, PW0016A, LARGE T&R", F @ Nom Voltage(Max)(Mhz)=70, Generic Part Number=SN74AHCT138, ICC @ Nom Voltage(Max)(mA)=0.04, Manufacturer="Texas Instruments", Operating Temperature Range(C)="-40 to 85", Rating=Catalog, tpd @ Nom Voltage(Max)(ns)=12, Voltage(Nom)(V)=5, Bits(#)=8, Channels(#)=1, Code_JEDEC=MO-153, Configuration=3：8, DatasheetVersion=SCLS266M, Function=Decoder/Demultiplexer, Input Type=TTL, Output Drive (IOL/IOH)(Max)(mA)=8/-8, Output Type=CMOS, PackageReference=PW0016A, Schmitt Trigger=No, Technology Family=AHCT, Type=Standard, VCC(Max)(V)=5.5, VCC(Min)(V)=4.5
U38: library part CMP-0017-00600-2, "Dual Low-Power JFET-Input General-Purpose Operational Amplifier, 7 to 36 V, 0 to 70 degC, 8-pin SOIC (D8), Green (RoHS & no Sb/Br)", Manufacturer="Texas Instruments", Rating=Catalog, Total Supply Voltage(Max)(+5V is 5, +/-5V is 10)=36, Total Supply Voltage(Min)(+5V is 5, +/-5V is 10)=7, CMRR(Min)(dB)=70, Code_JEDEC=MS-012, componentlink1description="Manufacturer URL", componentlink1url=http://www.ti.com/, ComponentLink2Description=Datasheet, ComponentLink2URL=http://www.ti.com/lit/ds/symlink/tl062.pdf, ComponentLink3Description="Package Specification", ComponentLink3URL=http://www.ti.com/litv/pdf/msoi002j, DatasheetVersion=SLOS078J, Eco-Plan="Green (RoHS & no Sb/Br)", GBW(Typ)(MHz)=1, IIB(Max)(pA)=400, Iq per channel(Max)(mA)=0.25, Manufacturer Part Number=TL062CDR, Mounting Technology="Surface Mount", Number of Channels=2, Offset Drift(Typ)(uV/C)=10, PackageDescription="8-Pin Plastic Small Outline, Body 4.9 x 3.9 mm, Pitch 1.27 mm", PackageReference=D0008A, PackageVersion="4040047-3/M, 06/2011", PartNumber=TL062CDR, Slew Rate(Typ)(V/us)=3.5, Sub Family="General Purpose Amplifier, High Supply Voltage Amplifier (>=30V), Low Power Amp (<=500uA)", Vio (25C)(Max)(mV)=15, Vn at 1kHz(Typ)(nV/rtHz)=42
X1: library part XTAL, "Crystal Oscillator", LatestRevisionDate=17-Jul-2002, LatestRevisionNote="Re-released for DXP Platform.", PackageReference=R38, Published=8-Jun-2000, Publisher="Altium Limited"
Y1 Y2: library part ABS06-32.768KHZ-9-1-T, "CRYSTAL 32.768 KHZ 9.0 PF SMD", Frequency Stability=±10ppm, Load Capacitance=9pF, Manufacturer="Abracon Corporation", Operating Mode=Fundamental, Operating Temperature="-40°C ~ 85°C", Package / Case="2-SMD, No Lead (DFN, LCC)", Supplier Part Number=535-10247-1-ND, .Checked PCB=used, .Checked SCH=used, Category="Crystals and Oscillators", componentlink1description=http://www.abracon.com/Resonators/ABS06.pdf, componentlink1url=http://www.abracon.com/Resonators/ABS06.pdf, Frequency=32.768kHz, Frequency Tolerance=±10ppm, Height="0.024\" (0.60mm)", Manufacturer Part Number=ABS06-32.768KHZ-9-1-T, Mounting Type="Surface Mount", Packaging="Cut Tape (CT)", Price 1k [$]=1.24500, Pricing 1="1=2.81, 10=2.438, 50=2.1376, 100=1.6875, 500=1.425 (USD)", RoHS="RoHS Compliant", Size / Dimension="0.079\" L x 0.047\" W (2.00mm x 1.20mm)", Stock 1=5693, Supplier=Digikey, Supplier 1=Digi-Key, Supplier Part Number 1=535-10247-1-ND, Type="kHz Crystal (Tuning Fork)"
Y3: "miniature SMD crystal controlled oscillators", Package=None, Availability=Unavailable, MF="{'manufacturer': u'ECS Inc.'}", MP=ECS-3963-240-BN-TR, price=None
Y4: "Crystals / Oscillators / Resonators 12MHz", Package=None, Availability=Unavailable, MF="{'manufacturer': u'Crystek'}", MP=C3391-24.576, price=None

## Free pads (board coordinates)
  oval 0.65x0.6 hole 0.3 mask+0: 66(95.8,-119.5) 67(97.1,-119.5) 67(146.04,-118.3) 67(146.04,-115.7) 68(98.4,-119.5) 68(147.34,-118.3) 68(147.34,-115.7) 69(99.7,-119.5) 69(148.64,-118.3) 69(148.64,-115.7) 70(101,-119.5) 70(149.94,-118.3) 70(149.94,-115.7) 71(102.3,-119.5) 72(95.8,-120.8) 73(97.1,-120.8) 73(146.04,-119.6) 73(146.04,-117) 74(98.4,-120.8) 74(147.34,-119.6) 74(147.34,-117) 75(99.7,-120.8) 75(148.64,-119.6) 75(148.64,-117) 76(101,-120.8) 76(149.94,-119.6) 76(149.94,-117) 77(102.3,-120.8) 78(95.8,-122.1) 79(97.1,-122.1) 79(146.04,-120.9) 80(98.4,-122.1) 80(147.34,-120.9) 81(99.7,-122.1) 81(148.64,-120.9) 82(101,-122.1) 82(149.94,-120.9) 83(102.3,-122.1) 84(95.8,-123.4) 85(97.1,-123.4) 85(146.04,-122.2) 86(98.4,-123.4) 86(147.34,-122.2) 87(99.7,-123.4) 87(148.64,-122.2) 88(101,-123.4) 88(149.94,-122.2) 89(102.3,-123.4) 90(95.8,-124.7) 91(97.1,-124.7) 91(146.04,-126.1) 91(146.04,-123.5) 92(98.4,-124.7) 92(147.34,-126.1) 92(147.34,-123.5) 93(99.7,-124.7) 93(148.64,-126.1) 93(148.64,-123.5) 94(101,-124.7) 94(149.94,-126.1) 94(149.94,-123.5) 95(102.3,-124.7) 96(95.8,-126) 97(97.1,-126) 97(146.04,-124.8) 98(98.4,-126) 98(147.34,-124.8) 99(99.7,-126) 99(148.64,-124.8) 100(101,-126) 100(149.94,-124.8) 101(102.3,-126)

## Via types
v1: diameter 0.5, hole 0.2, L1 to L6, tented both sides, 977 vias
v2: diameter 1, hole 0.5, L1 to L6, 416 vias
v3: diameter 0.6, hole 0.3, L1 to L6, 96 vias
v4: diameter 0.45, hole 0.25, L1 to L6, 26 vias
v5: diameter 0.5, hole 0.2, L1 to L6, 10 vias
v6: diameter 1, hole 0.5, L1 to L6, tented both sides, 10 vias
